# KiCad board PCB_Neopixel_rigid.kicad_pcb (continued)
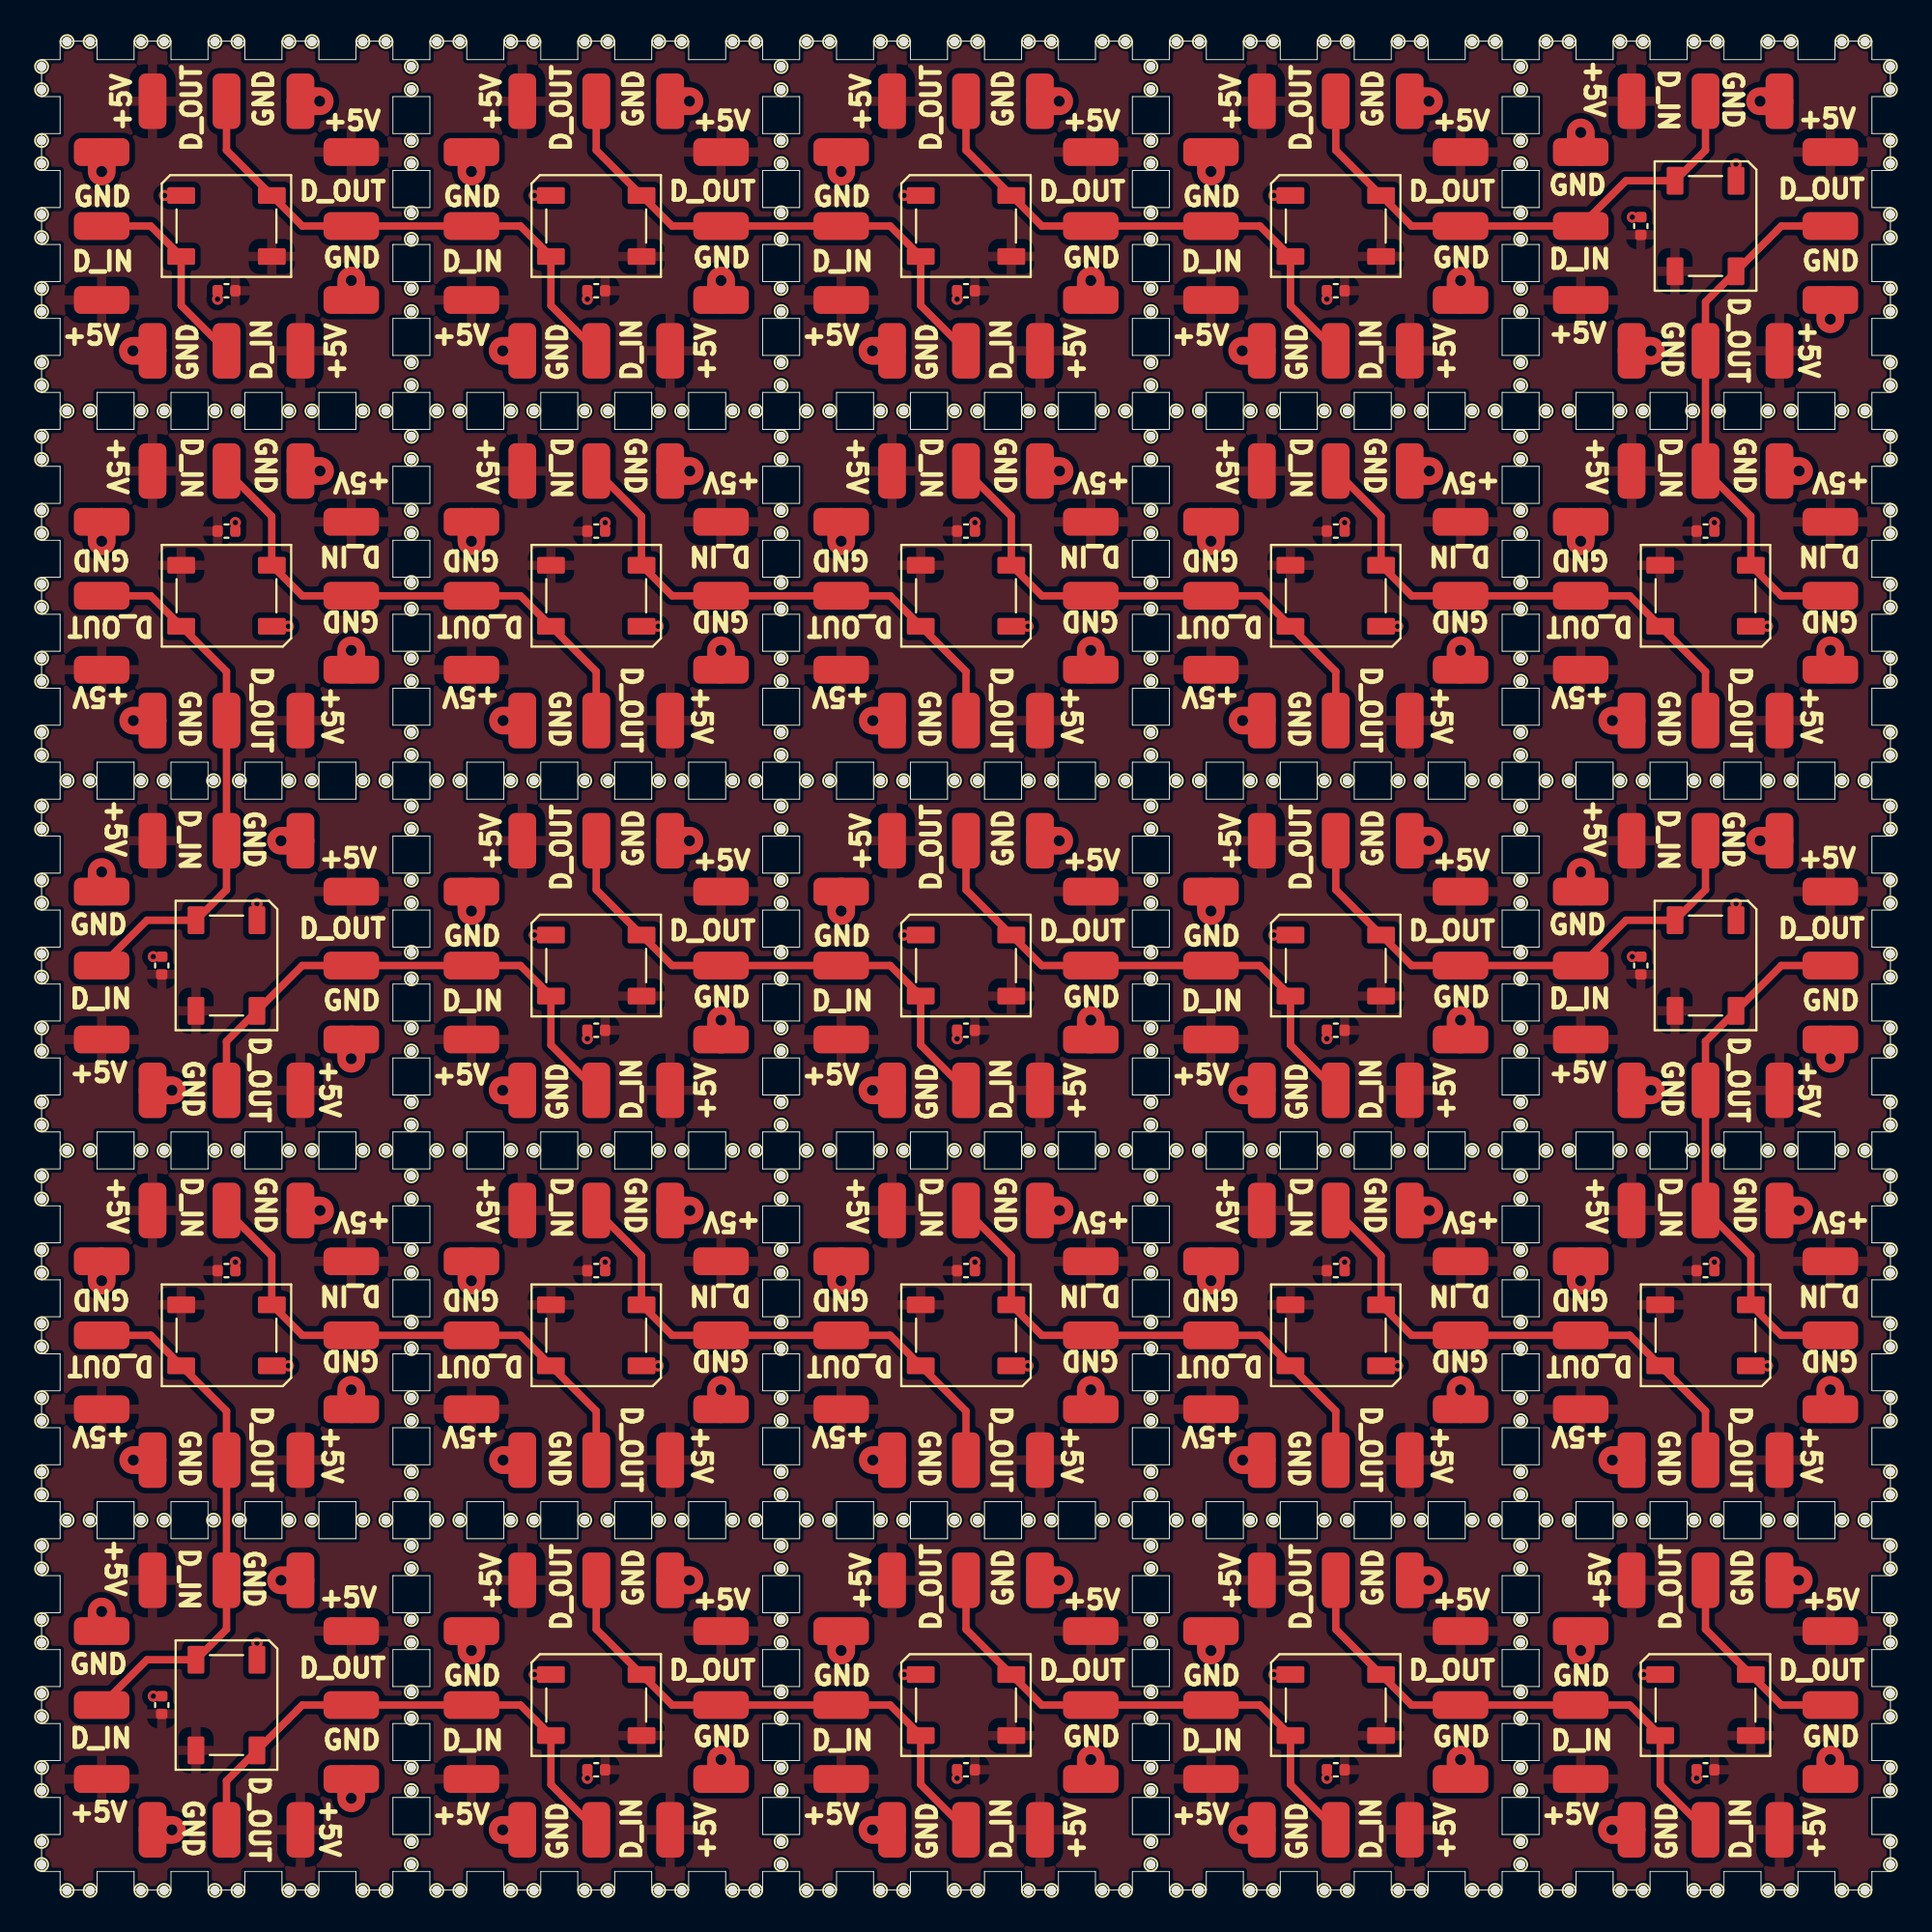
[diagram p0: board, top side]
## Placement (name value [footprint] x y rotation side) (continued)
J2003  Conn_01x01  [SolderWirePad_1x01_SMD_1.5x3mm]  26 36.75 0 top
J2004  Conn_01x01  [SolderWirePad_1x01_SMD_1.5x3mm]  34 36.75 180 top
J2005  Conn_01x01  [SolderWirePad_1x01_SMD_1.5x3mm]  23.25 26 270 top
J2006  Conn_01x01  [SolderWirePad_1x01_SMD_1.5x3mm]  23.25 34 270 top
J2007  Conn_01x01  [SolderWirePad_1x01_SMD_1.5x3mm]  34 23.25 180 top
J2008  Conn_01x01  [SolderWirePad_1x01_SMD_1.5x3mm]  26 23.25 180 top
J2009  Conn_01x01  [SolderWirePad_1x01_SMD_1.5x3mm]  30 36.75 180 top
J2010  Conn_01x01  [SolderWirePad_1x01_SMD_1.5x3mm]  36.75 30 270 top
J2011  Conn_01x01  [SolderWirePad_1x01_SMD_1.5x3mm]  23.25 30 270 top
J2012  Conn_01x01  [SolderWirePad_1x01_SMD_1.5x3mm]  30 23.25 180 top
J2101  Conn_01x01  [SolderWirePad_1x01_SMD_1.5x3mm]  16.75 34 270 top
J2102  Conn_01x01  [SolderWirePad_1x01_SMD_1.5x3mm]  16.75 26 270 top
J2103  Conn_01x01  [SolderWirePad_1x01_SMD_1.5x3mm]  6 36.75 0 top
J2104  Conn_01x01  [SolderWirePad_1x01_SMD_1.5x3mm]  14 36.75 180 top
J2105  Conn_01x01  [SolderWirePad_1x01_SMD_1.5x3mm]  3.25 26 270 top
J2106  Conn_01x01  [SolderWirePad_1x01_SMD_1.5x3mm]  3.25 34 270 top
J2107  Conn_01x01  [SolderWirePad_1x01_SMD_1.5x3mm]  14 23.25 180 top
J2108  Conn_01x01  [SolderWirePad_1x01_SMD_1.5x3mm]  6 23.25 180 top
J2109  Conn_01x01  [SolderWirePad_1x01_SMD_1.5x3mm]  10 36.75 180 top
J2110  Conn_01x01  [SolderWirePad_1x01_SMD_1.5x3mm]  16.75 30 270 top
J2111  Conn_01x01  [SolderWirePad_1x01_SMD_1.5x3mm]  3.25 30 270 top
J2112  Conn_01x01  [SolderWirePad_1x01_SMD_1.5x3mm]  10 23.25 180 top
J2201  Conn_01x01  [SolderWirePad_1x01_SMD_1.5x3mm]  6 16.75 0 top
J2202  Conn_01x01  [SolderWirePad_1x01_SMD_1.5x3mm]  14 16.75 0 top
J2203  Conn_01x01  [SolderWirePad_1x01_SMD_1.5x3mm]  3.25 6 90 top
J2204  Conn_01x01  [SolderWirePad_1x01_SMD_1.5x3mm]  3.25 14 270 top
J2205  Conn_01x01  [SolderWirePad_1x01_SMD_1.5x3mm]  14 3.25 0 top
J2206  Conn_01x01  [SolderWirePad_1x01_SMD_1.5x3mm]  6 3.25 0 top
J2207  Conn_01x01  [SolderWirePad_1x01_SMD_1.5x3mm]  16.75 14 270 top
J2208  Conn_01x01  [SolderWirePad_1x01_SMD_1.5x3mm]  16.75 6 270 top
J2209  Conn_01x01  [SolderWirePad_1x01_SMD_1.5x3mm]  3.25 10 270 top
J2210  Conn_01x01  [SolderWirePad_1x01_SMD_1.5x3mm]  10 16.75 0 top
J2211  Conn_01x01  [SolderWirePad_1x01_SMD_1.5x3mm]  10 3.25 0 top
J2212  Conn_01x01  [SolderWirePad_1x01_SMD_1.5x3mm]  16.75 10 270 top
J2301  Conn_01x01  [SolderWirePad_1x01_SMD_1.5x3mm]  23.25 6 90 top
J2302  Conn_01x01  [SolderWirePad_1x01_SMD_1.5x3mm]  23.25 14 90 top
J2303  Conn_01x01  [SolderWirePad_1x01_SMD_1.5x3mm]  34 3.25 180 top
J2304  Conn_01x01  [SolderWirePad_1x01_SMD_1.5x3mm]  26 3.25 0 top
J2305  Conn_01x01  [SolderWirePad_1x01_SMD_1.5x3mm]  36.75 14 90 top
J2306  Conn_01x01  [SolderWirePad_1x01_SMD_1.5x3mm]  36.75 6 90 top
J2307  Conn_01x01  [SolderWirePad_1x01_SMD_1.5x3mm]  26 16.75 0 top
J2308  Conn_01x01  [SolderWirePad_1x01_SMD_1.5x3mm]  34 16.75 0 top
J2309  Conn_01x01  [SolderWirePad_1x01_SMD_1.5x3mm]  30 3.25 0 top
J2310  Conn_01x01  [SolderWirePad_1x01_SMD_1.5x3mm]  23.25 10 90 top
J2311  Conn_01x01  [SolderWirePad_1x01_SMD_1.5x3mm]  36.75 10 90 top
J2312  Conn_01x01  [SolderWirePad_1x01_SMD_1.5x3mm]  30 16.75 0 top
J2401  Conn_01x01  [SolderWirePad_1x01_SMD_1.5x3mm]  43.25 6 90 top
J2402  Conn_01x01  [SolderWirePad_1x01_SMD_1.5x3mm]  43.25 14 90 top
J2403  Conn_01x01  [SolderWirePad_1x01_SMD_1.5x3mm]  54 3.25 180 top
J2404  Conn_01x01  [SolderWirePad_1x01_SMD_1.5x3mm]  46 3.25 0 top
J2405  Conn_01x01  [SolderWirePad_1x01_SMD_1.5x3mm]  56.75 14 90 top
J2406  Conn_01x01  [SolderWirePad_1x01_SMD_1.5x3mm]  56.75 6 90 top
J2407  Conn_01x01  [SolderWirePad_1x01_SMD_1.5x3mm]  46 16.75 0 top
J2408  Conn_01x01  [SolderWirePad_1x01_SMD_1.5x3mm]  54 16.75 0 top
J2409  Conn_01x01  [SolderWirePad_1x01_SMD_1.5x3mm]  50 3.25 0 top
J2410  Conn_01x01  [SolderWirePad_1x01_SMD_1.5x3mm]  43.25 10 90 top
J2411  Conn_01x01  [SolderWirePad_1x01_SMD_1.5x3mm]  56.75 10 90 top
J2412  Conn_01x01  [SolderWirePad_1x01_SMD_1.5x3mm]  50 16.75 0 top
J2501  Conn_01x01  [SolderWirePad_1x01_SMD_1.5x3mm]  63.25 6 90 top
J2502  Conn_01x01  [SolderWirePad_1x01_SMD_1.5x3mm]  63.25 14 90 top
J2503  Conn_01x01  [SolderWirePad_1x01_SMD_1.5x3mm]  74 3.25 180 top
J2504  Conn_01x01  [SolderWirePad_1x01_SMD_1.5x3mm]  66 3.25 0 top
J2505  Conn_01x01  [SolderWirePad_1x01_SMD_1.5x3mm]  76.75 14 90 top
J2506  Conn_01x01  [SolderWirePad_1x01_SMD_1.5x3mm]  76.75 6 90 top
J2507  Conn_01x01  [SolderWirePad_1x01_SMD_1.5x3mm]  66 16.75 0 top
J2508  Conn_01x01  [SolderWirePad_1x01_SMD_1.5x3mm]  74 16.75 0 top
J2509  Conn_01x01  [SolderWirePad_1x01_SMD_1.5x3mm]  70 3.25 0 top
J2510  Conn_01x01  [SolderWirePad_1x01_SMD_1.5x3mm]  63.25 10 90 top
J2511  Conn_01x01  [SolderWirePad_1x01_SMD_1.5x3mm]  76.75 10 90 top
J2512  Conn_01x01  [SolderWirePad_1x01_SMD_1.5x3mm]  70 16.75 0 top
J2601  Conn_01x01  [SolderWirePad_1x01_SMD_1.5x3mm]  83.25 6 90 top
J2602  Conn_01x01  [SolderWirePad_1x01_SMD_1.5x3mm]  83.25 14 90 top
J2603  Conn_01x01  [SolderWirePad_1x01_SMD_1.5x3mm]  94 3.25 180 top
J2604  Conn_01x01  [SolderWirePad_1x01_SMD_1.5x3mm]  86 3.25 0 top
J2605  Conn_01x01  [SolderWirePad_1x01_SMD_1.5x3mm]  96.75 14 90 top
J2606  Conn_01x01  [SolderWirePad_1x01_SMD_1.5x3mm]  96.75 6 90 top
J2607  Conn_01x01  [SolderWirePad_1x01_SMD_1.5x3mm]  86 16.75 0 top
J2608  Conn_01x01  [SolderWirePad_1x01_SMD_1.5x3mm]  94 16.75 0 top
J2609  Conn_01x01  [SolderWirePad_1x01_SMD_1.5x3mm]  90 3.25 0 top
J2610  Conn_01x01  [SolderWirePad_1x01_SMD_1.5x3mm]  83.25 10 90 top
J2611  Conn_01x01  [SolderWirePad_1x01_SMD_1.5x3mm]  96.75 10 90 top
J2612  Conn_01x01  [SolderWirePad_1x01_SMD_1.5x3mm]  90 16.75 0 top
REF**  -  [NPTH_0.5]  9.38 99.97 0 top
REF**1  -  [NPTH_0.5]  40 89.28 180 top
REF**2  -  [NPTH_0.5]  40 90.72 180 top
REF**3  -  [NPTH_0.5]  60 89.28 180 top
REF**4  -  [NPTH_0.5]  60 90.72 180 top
REF**5  -  [NPTH_0.5]  80 89.28 180 top
REF**6  -  [NPTH_0.5]  80 90.72 180 top
REF**9  -  [NPTH_0.5]  20 69.28 180 top
REF**10  -  [NPTH_0.5]  20 70.72 180 top
REF**11  -  [NPTH_0.5]  40 69.28 180 top
REF**12  -  [NPTH_0.5]  40 70.72 180 top
REF**13  -  [NPTH_0.5]  60 69.28 180 top
REF**14  -  [NPTH_0.5]  60 70.72 180 top
REF**15  -  [NPTH_0.5]  80 69.28 180 top
REF**16  -  [NPTH_0.5]  80 70.72 180 top
REF**19  -  [NPTH_0.5]  20 49.28 180 top
REF**20  -  [NPTH_0.5]  20 50.72 180 top
REF**21  -  [NPTH_0.5]  40 49.28 180 top
REF**22  -  [NPTH_0.5]  40 50.72 180 top
REF**23  -  [NPTH_0.5]  60 49.28 180 top
REF**24  -  [NPTH_0.5]  60 50.72 180 top
REF**25  -  [NPTH_0.5]  80 49.28 180 top
REF**26  -  [NPTH_0.5]  80 50.72 180 top
REF**29  -  [NPTH_0.5]  20 29.28 180 top
REF**30  -  [NPTH_0.5]  20 30.72 180 top
REF**31  -  [NPTH_0.5]  40 29.28 180 top
REF**32  -  [NPTH_0.5]  40 30.72 180 top
REF**33  -  [NPTH_0.5]  60 29.28 180 top
REF**34  -  [NPTH_0.5]  60 30.72 180 top
REF**35  -  [NPTH_0.5]  80 29.28 180 top
REF**36  -  [NPTH_0.5]  80 30.72 180 top
REF**39  -  [NPTH_0.5]  20 9.28 180 top
REF**40  -  [NPTH_0.5]  20 10.72 180 top
REF**41  -  [NPTH_0.5]  40 9.28 180 top
REF**42  -  [NPTH_0.5]  40 10.72 180 top
REF**43  -  [NPTH_0.5]  60 9.28 180 top
REF**44  -  [NPTH_0.5]  60 10.72 180 top
REF**45  -  [NPTH_0.5]  80 9.28 180 top
REF**46  -  [NPTH_0.5]  80 10.72 180 top
REF**#2  -  [NPTH_0.5]  40 62.62 90 top
REF**#3  -  [NPTH_0.5]  81.38 99.97 0 top
REF**#4  -  [NPTH_0.5]  100 77.37 90 top
REF**#5  -  [NPTH_0.5]  0 58.62 90 top
REF**#6  -  [NPTH_0.5]  80 74.62 90 top
REF**#7  -  [NPTH_0.5]  2.62 -0.03 0 top
REF**#8  -  [NPTH_0.5]  40 98.62 90 top
REF**#9  -  [NPTH_0.5]  14.62 -0.03 0 top
REF**#10  -  [NPTH_0.5]  60 85.37 90 top
REF**#11  -  [NPTH_0.5]  78.62 60 0 top
REF**#12  -  [NPTH_0.5]  0 50.62 90 top
REF**#13  -  [NPTH_0.5]  100 70.63 90 top
REF**#14  -  [NPTH_0.5]  57.38 20 0 top
REF**#15  -  [NPTH_0.5]  60 25.37 90 top
REF**#16  -  [NPTH_0.5]  20 58.62 90 top
REF**#17  -  [NPTH_0.5]  21.38 -0.03 0 top
REF**#18  -  [NPTH_0.5]  41.38 60 0 top
REF**#19  -  [NPTH_0.5]  22.62 20 0 top
REF**#20  -  [NPTH_0.5]  0 73.38 90 top
REF**#21  -  [NPTH_0.5]  93.38 40 0 top
REF**#22  -  [NPTH_0.5]  17.38 20 0 top
REF**#23  -  [NPTH_0.5]  60 46.62 90 top
REF**#24  -  [NPTH_0.5]  69.38 20 0 top
REF**#25  -  [NPTH_0.5]  80 85.37 90 top
REF**#26  -  [NPTH_0.5]  77.38 80 0 top
REF**#27  -  [NPTH_0.5]  86.62 60 0 top
REF**#28  -  [NPTH_0.5]  21.38 80 0 top
REF**#29  -  [NPTH_0.5]  60 6.62 90 top
REF**#30  -  [NPTH_0.5]  49.38 99.97 0 top
REF**#31  -  [NPTH_0.5]  17.38 40 0 top
REF**#32  -  [NPTH_0.5]  100 29.38 90 top
REF**#33  -  [NPTH_0.5]  66.62 60 0 top
REF**#34  -  [NPTH_0.5]  18.62 60 0 top
REF**#35  -  [NPTH_0.5]  80 22.62 90 top
REF**#36  -  [NPTH_0.5]  66.62 40 0 top
REF**#37  -  [NPTH_0.5]  60 86.62 90 top
REF**#38  -  [NPTH_0.5]  66.62 99.97 0 top
REF**#39  -  [NPTH_0.5]  9.3 60 0 top
REF**#40  -  [NPTH_0.5]  0 77.37 90 top
REF**#41  -  [NPTH_0.5]  80 2.62 90 top
REF**#42  -  [NPTH_0.5]  9.38 -0.03 0 top
REF**#43  -  [NPTH_0.5]  89.38 -0.03 0 top
REF**#44  -  [NPTH_0.5]  60 13.38 90 top
REF**#45  -  [NPTH_0.5]  100 22.62 90 top
REF**#46  -  [NPTH_0.5]  100 78.62 90 top
REF**#47  -  [NPTH_0.5]  70.62 40 0 top
REF**#48  -  [NPTH_0.5]  45.38 99.97 0 top
REF**#49  -  [NPTH_0.5]  58.62 99.97 0 top
REF**#50  -  [NPTH_0.5]  100 81.37 90 top
REF**#51  -  [NPTH_0.5]  100 26.62 90 top
REF**#52  -  [NPTH_0.5]  85.38 80 0 top
REF**#53  -  [NPTH_0.5]  60 21.38 90 top
REF**#54  -  [NPTH_0.5]  60 14.62 90 top
REF**#55  -  [NPTH_0.5]  100 58.62 90 top
REF**#56  -  [NPTH_0.5]  5.38 80 0 top
REF**#57  -  [NPTH_0.5]  45.38 60 0 top
REF**#58  -  [NPTH_0.5]  40 58.62 90 top
REF**#59  -  [NPTH_0.5]  42.62 60 0 top
REF**#60  -  [NPTH_0.5]  100 57.38 90 top
REF**#61  -  [NPTH_0.5]  62.62 99.97 0 top
REF**#62  -  [NPTH_0.5]  34.62 20 0 top
REF**#63  -  [NPTH_0.5]  26.62 80 0 top
REF**#64  -  [NPTH_0.5]  40 57.37 90 top
REF**#65  -  [NPTH_0.5]  0 94.62 90 top
REF**#66  -  [NPTH_0.5]  45.38 80 0 top
REF**#67  -  [NPTH_0.5]  1.38 40 0 top
REF**#68  -  [NPTH_0.5]  100 18.62 90 top
REF**#69  -  [NPTH_0.5]  20 77.37 90 top
REF**#70  -  [NPTH_0.5]  58.62 40 0 top
REF**#71  -  [NPTH_0.5]  100 69.38 90 top
REF**#72  -  [NPTH_0.5]  78.62 40 0 top
REF**#73  -  [NPTH_0.5]  0 81.37 90 top
REF**#74  -  [NPTH_0.5]  85.38 20 0 top
REF**#75  -  [NPTH_0.5]  60 78.62 90 top
REF**#76  -  [NPTH_0.5]  58.62 -0.03 0 top
REF**#77  -  [NPTH_0.5]  17.38 60 0 top
REF**#78  -  [NPTH_0.5]  20 42.62 90 top
REF**#79  -  [NPTH_0.5]  25.38 80 0 top
REF**#80  -  [NPTH_0.5]  42.62 40 0 top
REF**#81  -  [NPTH_0.5]  10.7 60 0 top
REF**#82  -  [NPTH_0.5]  20 41.38 90 top
REF**#83  -  [NPTH_0.5]  74.62 99.97 0 top
REF**#84  -  [NPTH_0.5]  80 86.62 90 top
REF**#85  -  [NPTH_0.5]  20 98.62 90 top
REF**#86  -  [NPTH_0.5]  100 97.38 90 top
REF**#87  -  [NPTH_0.5]  30.62 -0.03 0 top
REF**#88  -  [NPTH_0.5]  29.38 99.97 0 top
REF**#89  -  [NPTH_0.5]  90.7 40 0 top
REF**#90  -  [NPTH_0.5]  25.38 40 0 top
REF**#91  -  [NPTH_0.5]  80 6.62 90 top
REF**#92  -  [NPTH_0.5]  100 98.62 90 top
REF**#93  -  [NPTH_0.5]  98.62 60 0 top
REF**#94  -  [NPTH_0.5]  80 61.38 90 top
REF**#95  -  [NPTH_0.5]  100 61.38 90 top
REF**#96  -  [NPTH_0.5]  80 82.62 90 top
REF**#97  -  [NPTH_0.5]  80 42.62 90 top
REF**#98  -  [NPTH_0.5]  37.38 99.97 0 top
REF**#99  -  [NPTH_0.5]  40 25.37 90 top
REF**#100  -  [NPTH_0.5]  40 33.38 90 top
REF**#101  -  [NPTH_0.5]  100 10.62 90 top
REF**#102  -  [NPTH_0.5]  100 38.63 90 top
REF**#103  -  [NPTH_0.5]  40 22.62 90 top
REF**#104  -  [NPTH_0.5]  29.38 60 0 top
REF**#105  -  [NPTH_0.5]  20 74.62 90 top
REF**#106  -  [NPTH_0.5]  0 66.62 90 top
REF**#107  -  [NPTH_0.5]  22.62 60 0 top
REF**#108  -  [NPTH_0.5]  60 57.37 90 top
REF**#109  -  [NPTH_0.5]  60 38.62 90 top
REF**#110  -  [NPTH_0.5]  100 46.62 90 top
REF**#111  -  [NPTH_0.5]  80 73.38 90 top
REF**#112  -  [NPTH_0.5]  90.62 60 0 top
REF**#113  -  [NPTH_0.5]  60 81.38 90 top
REF**#114  -  [NPTH_0.5]  26.62 99.97 0 top
REF**#115  -  [NPTH_0.5]  60 42.62 90 top
REF**#116  -  [NPTH_0.5]  40 94.62 90 top
REF**#117  -  [NPTH_0.5]  100 33.38 90 top
REF**#118  -  [NPTH_0.5]  53.38 80 0 top
REF**#119  -  [NPTH_0.5]  33.38 20 0 top
REF**#120  -  [NPTH_0.5]  80 38.62 90 top
REF**#121  -  [NPTH_0.5]  69.38 -0.03 0 top
REF**#122  -  [NPTH_0.5]  34.62 -0.03 0 top
REF**#123  -  [NPTH_0.5]  65.38 20 0 top
REF**#124  -  [NPTH_0.5]  34.62 80 0 top
REF**#125  -  [NPTH_0.5]  80 77.37 90 top
REF**#126  -  [NPTH_0.5]  40 85.37 90 top
REF**#127  -  [NPTH_0.5]  22.62 40 0 top
REF**#128  -  [NPTH_0.5]  21.38 20 0 top
REF**#129  -  [NPTH_0.5]  100 30.62 90 top
REF**#130  -  [NPTH_0.5]  89.3 40 0 top
REF**#131  -  [NPTH_0.5]  100 49.37 90 top
REF**#132  -  [NPTH_0.5]  20 93.38 90 top
REF**#133  -  [NPTH_0.5]  20 65.37 90 top
REF**#134  -  [NPTH_0.5]  18.62 80 0 top
REF**#135  -  [NPTH_0.5]  97.38 99.97 0 top
REF**#136  -  [NPTH_0.5]  30.62 80 0 top
REF**#137  -  [NPTH_0.5]  14.62 80 0 top
REF**#138  -  [NPTH_0.5]  100 21.38 90 top
REF**#139  -  [NPTH_0.5]  70.62 80 0 top
REF**#140  -  [NPTH_0.5]  60 66.62 90 top
REF**#141  -  [NPTH_0.5]  40 21.38 90 top
REF**#142  -  [NPTH_0.5]  41.38 99.97 0 top
REF**#143  -  [NPTH_0.5]  37.38 80 0 top
REF**#144  -  [NPTH_0.5]  17.38 -0.03 0 top
REF**#145  -  [NPTH_0.5]  25.38 60 0 top
REF**#146  -  [NPTH_0.5]  46.62 60 0 top
REF**#147  -  [NPTH_0.5]  61.38 99.97 0 top
REF**#148  -  [NPTH_0.5]  81.38 -0.03 0 top
REF**#149  -  [NPTH_0.5]  60 82.62 90 top
REF**#150  -  [NPTH_0.5]  14.62 40 0 top
REF**#151  -  [NPTH_0.5]  0 65.38 90 top
REF**#152  -  [NPTH_0.5]  80 78.62 90 top
REF**#153  -  [NPTH_0.5]  50.62 20 0 top
REF**#154  -  [NPTH_0.5]  0 37.38 90 top
REF**#155  -  [NPTH_0.5]  29.38 -0.03 0 top
REF**#156  -  [NPTH_0.5]  100 6.63 90 top
REF**#157  -  [NPTH_0.5]  81.38 80 0 top
REF**#158  -  [NPTH_0.5]  77.38 40 0 top
REF**#159  -  [NPTH_0.5]  82.62 40 0 top
REF**#160  -  [NPTH_0.5]  82.62 99.97 0 top
REF**#161  -  [NPTH_0.5]  0 85.38 90 top
REF**#162  -  [NPTH_0.5]  18.62 -0.03 0 top
REF**#163  -  [NPTH_0.5]  50.62 -0.03 0 top
REF**#164  -  [NPTH_0.5]  41.38 40 0 top
REF**#165  -  [NPTH_0.5]  100 94.62 90 top
REF**#166  -  [NPTH_0.5]  100 89.38 90 top
REF**#167  -  [NPTH_0.5]  40 46.62 90 top
REF**#168  -  [NPTH_0.5]  34.62 40 0 top
REF**#169  -  [NPTH_0.5]  60 33.38 90 top
REF**#170  -  [NPTH_0.5]  20 82.62 90 top
REF**#171  -  [NPTH_0.5]  0 46.62 90 top
REF**#172  -  [NPTH_0.5]  40 66.62 90 top
REF**#173  -  [NPTH_0.5]  0 70.63 90 top
REF**#174  -  [NPTH_0.5]  22.62 80 0 top
REF**#175  -  [NPTH_0.5]  21.38 99.97 0 top
REF**#176  -  [NPTH_0.5]  13.38 20 0 top
REF**#177  -  [NPTH_0.5]  80 41.38 90 top
REF**#178  -  [NPTH_0.5]  80 25.37 90 top
REF**#179  -  [NPTH_0.5]  100 2.62 90 top
REF**#180  -  [NPTH_0.5]  97.38 40 0 top
REF**#181  -  [NPTH_0.5]  85.38 40 0 top
REF**#182  -  [NPTH_0.5]  70.62 -0.03 0 top
REF**#183  -  [NPTH_0.5]  5.38 20 0 top
REF**#184  -  [NPTH_0.5]  53.38 40 0 top
REF**#185  -  [NPTH_0.5]  100 85.38 90 top
REF**#186  -  [NPTH_0.5]  0 61.38 90 top
REF**#187  -  [NPTH_0.5]  60 94.62 90 top
REF**#188  -  [NPTH_0.5]  20 6.62 90 top
REF**#189  -  [NPTH_0.5]  0 1.38 90 top
REF**#190  -  [NPTH_0.5]  0 45.37 90 top
REF**#191  -  [NPTH_0.5]  100 66.62 90 top
REF**#192  -  [NPTH_0.5]  20 61.38 90 top
REF**#193  -  [NPTH_0.5]  46.62 40 0 top
REF**#194  -  [NPTH_0.5]  0 10.62 90 top
REF**#195  -  [NPTH_0.5]  80 98.62 90 top
REF**#196  -  [NPTH_0.5]  20 89.28 180 top
REF**#197  -  [NPTH_0.5]  66.62 80 0 top
REF**#198  -  [NPTH_0.5]  26.62 20 0 top
REF**#199  -  [NPTH_0.5]  0 82.62 90 top
REF**#200  -  [NPTH_0.5]  57.38 -0.03 0 top
REF**#201  -  [NPTH_0.5]  30.62 20 0 top
REF**#202  -  [NPTH_0.5]  49.38 -0.03 0 top
REF**#203  -  [NPTH_0.5]  14.62 60 0 top
REF**#204  -  [NPTH_0.5]  6.62 40 0 top
REF**#205  -  [NPTH_0.5]  98.62 20 0 top
REF**#206  -  [NPTH_0.5]  42.62 20 0 top
REF**#207  -  [NPTH_0.5]  0 54.62 90 top
REF**#208  -  [NPTH_0.5]  6.62 -0.03 0 top
REF**#209  -  [NPTH_0.5]  40 45.37 90 top
REF**#210  -  [NPTH_0.5]  9.3 20 0 top
REF**#211  -  [NPTH_0.5]  100 5.38 90 top
REF**#212  -  [NPTH_0.5]  100 45.37 90 top
REF**#213  -  [NPTH_0.5]  40 65.37 90 top
REF**#214  -  [NPTH_0.5]  40 41.38 90 top
REF**#215  -  [NPTH_0.5]  38.62 40 0 top
REF**#216  -  [NPTH_0.5]  0 57.38 90 top
REF**#217  -  [NPTH_0.5]  93.38 99.97 0 top
REF**#218  -  [NPTH_0.5]  80 21.38 90 top
REF**#219  -  [NPTH_0.5]  1.38 80 0 top
REF**#220  -  [NPTH_0.5]  97.38 -0.03 0 top
REF**#221  -  [NPTH_0.5]  33.38 60 0 top
REF**#222  -  [NPTH_0.5]  20 14.62 90 top
REF**#223  -  [NPTH_0.5]  69.38 99.97 0 top
REF**#224  -  [NPTH_0.5]  49.38 20 0 top
REF**#225  -  [NPTH_0.5]  34.62 99.97 0 top
REF**#226  -  [NPTH_0.5]  49.38 60 0 top
REF**#227  -  [NPTH_0.5]  80 17.37 90 top
REF**#228  -  [NPTH_0.5]  73.38 99.97 0 top
REF**#229  -  [NPTH_0.5]  82.62 60 0 top
REF**#230  -  [NPTH_0.5]  100 74.62 90 top
REF**#231  -  [NPTH_0.5]  20 73.38 90 top
REF**#232  -  [NPTH_0.5]  45.38 40 0 top
REF**#233  -  [NPTH_0.5]  80 57.37 90 top
REF**#234  -  [NPTH_0.5]  20 5.37 90 top
REF**#235  -  [NPTH_0.5]  40 82.62 90 top
REF**#236  -  [NPTH_0.5]  6.62 99.97 0 top
REF**#237  -  [NPTH_0.5]  10.7 20 0 top
REF**#238  -  [NPTH_0.5]  20 45.37 90 top
REF**#239  -  [NPTH_0.5]  13.38 40 0 top
REF**#240  -  [NPTH_0.5]  0 98.62 90 top
REF**#241  -  [NPTH_0.5]  20 34.62 90 top
REF**#242  -  [NPTH_0.5]  80 97.37 90 top
REF**#243  -  [NPTH_0.5]  60 65.37 90 top
REF**#244  -  [NPTH_0.5]  2.62 80 0 top
REF**#245  -  [NPTH_0.5]  13.38 80 0 top
REF**#246  -  [NPTH_0.5]  41.38 20 0 top
REF**#247  -  [NPTH_0.5]  22.62 99.97 0 top
REF**#248  -  [NPTH_0.5]  0 5.38 90 top
REF**#249  -  [NPTH_0.5]  54.62 99.97 0 top
REF**#250  -  [NPTH_0.5]  98.62 -0.03 0 top
REF**#251  -  [NPTH_0.5]  20 17.37 90 top
REF**#252  -  [NPTH_0.5]  58.62 80 0 top
REF**#253  -  [NPTH_0.5]  30.62 40 0 top
REF**#254  -  [NPTH_0.5]  78.62 99.97 0 top
REF**#255  -  [NPTH_0.5]  0 22.62 90 top
REF**#256  -  [NPTH_0.5]  100 42.62 90 top
REF**#257  -  [NPTH_0.5]  20 13.38 90 top
REF**#258  -  [NPTH_0.5]  29.38 20 0 top
REF**#259  -  [NPTH_0.5]  60 18.62 90 top
REF**#260  -  [NPTH_0.5]  93.38 80 0 top
REF**#261  -  [NPTH_0.5]  80 54.62 90 top
REF**#262  -  [NPTH_0.5]  60 41.38 90 top
REF**#263  -  [NPTH_0.5]  40 5.37 90 top
REF**#264  -  [NPTH_0.5]  0 69.38 90 top
REF**#265  -  [NPTH_0.5]  89.38 60 0 top
REF**#266  -  [NPTH_0.5]  62.62 40 0 top
REF**#267  -  [NPTH_0.5]  69.38 60 0 top
REF**#268  -  [NPTH_0.5]  80 13.38 90 top
REF**#269  -  [NPTH_0.5]  20 1.38 90 top
REF**#270  -  [NPTH_0.5]  80 33.38 90 top
REF**#271  -  [NPTH_0.5]  100 14.62 90 top
REF**#272  -  [NPTH_0.5]  61.38 20 0 top
REF**#273  -  [NPTH_0.5]  90.62 99.97 0 top
REF**#274  -  [NPTH_0.5]  14.62 20 0 top
REF**#275  -  [NPTH_0.5]  61.38 60 0 top
REF**#276  -  [NPTH_0.5]  42.62 -0.03 0 top
REF**#277  -  [NPTH_0.5]  98.62 99.97 0 top
REF**#278  -  [NPTH_0.5]  2.62 40 0 top
REF**#279  -  [NPTH_0.5]  37.38 40 0 top
REF**#280  -  [NPTH_0.5]  73.38 20 0 top
REF**#281  -  [NPTH_0.5]  94.62 99.97 0 top
REF**#282  -  [NPTH_0.5]  5.38 60 0 top
REF**#283  -  [NPTH_0.5]  20 37.37 90 top
REF**#284  -  [NPTH_0.5]  20 2.62 90 top
REF**#285  -  [NPTH_0.5]  0 62.62 90 top
REF**#286  -  [NPTH_0.5]  100 9.38 90 top
REF**#287  -  [NPTH_0.5]  80 14.62 90 top
REF**#288  -  [NPTH_0.5]  74.62 20 0 top
REF**#289  -  [NPTH_0.5]  0 18.62 90 top
REF**#290  -  [NPTH_0.5]  33.38 -0.03 0 top
REF**#291  -  [NPTH_0.5]  94.62 40 0 top
REF**#292  -  [NPTH_0.5]  20 33.38 90 top
REF**#293  -  [NPTH_0.5]  5.38 40 0 top
REF**#294  -  [NPTH_0.5]  0 17.37 90 top
REF**#295  -  [NPTH_0.5]  40 34.62 90 top
REF**#296  -  [NPTH_0.5]  26.62 40 0 top
REF**#297  -  [NPTH_0.5]  94.62 60 0 top
REF**#298  -  [NPTH_0.5]  65.38 99.97 0 top
REF**#299  -  [NPTH_0.5]  82.62 20 0 top
REF**#300  -  [NPTH_0.5]  0 30.62 90 top
REF**#301  -  [NPTH_0.5]  90.62 -0.03 0 top
REF**#302  -  [NPTH_0.5]  60 5.37 90 top
REF**#303  -  [NPTH_0.5]  60 22.62 90 top
REF**#304  -  [NPTH_0.5]  38.62 99.97 0 top
REF**#305  -  [NPTH_0.5]  60 54.62 90 top
REF**#306  -  [NPTH_0.5]  29.38 40 0 top
REF**#307  -  [NPTH_0.5]  70.62 99.97 0 top
REF**#308  -  [NPTH_0.5]  100 25.38 90 top
REF**#309  -  [NPTH_0.5]  80 1.38 90 top
REF**#310  -  [NPTH_0.5]  20 97.37 90 top
REF**#311  -  [NPTH_0.5]  80 58.62 90 top
REF**#312  -  [NPTH_0.5]  100 37.38 90 top
REF**#313  -  [NPTH_0.5]  40 1.38 90 top
REF**#314  -  [NPTH_0.5]  54.62 -0.03 0 top
REF**#315  -  [NPTH_0.5]  29.38 80 0 top
REF**#316  -  [NPTH_0.5]  20 21.38 90 top
REF**#317  -  [NPTH_0.5]  40 18.62 90 top
REF**#318  -  [NPTH_0.5]  70.62 60 0 top
REF**#319  -  [NPTH_0.5]  89.3 80 0 top
REF**#320  -  [NPTH_0.5]  80 5.37 90 top
REF**#321  -  [NPTH_0.5]  74.62 40 0 top
REF**#322  -  [NPTH_0.5]  20 81.38 90 top
REF**#323  -  [NPTH_0.5]  53.38 60 0 top
REF**#324  -  [NPTH_0.5]  17.38 99.97 0 top
REF**#325  -  [NPTH_0.5]  42.62 80 0 top
REF**#326  -  [NPTH_0.5]  53.38 99.97 0 top
REF**#327  -  [NPTH_0.5]  33.38 99.97 0 top
REF**#328  -  [NPTH_0.5]  0 74.62 90 top
REF**#329  -  [NPTH_0.5]  86.62 40 0 top
REF**#330  -  [NPTH_0.5]  98.62 80 0 top
REF**#331  -  [NPTH_0.5]  100 62.62 90 top
REF**#332  -  [NPTH_0.5]  77.38 20 0 top
REF**#333  -  [NPTH_0.5]  18.62 99.97 0 top
REF**#334  -  [NPTH_0.5]  18.62 40 0 top
REF**#335  -  [NPTH_0.5]  66.62 20 0 top
REF**#336  -  [NPTH_0.5]  62.62 -0.03 0 top
REF**#337  -  [NPTH_0.5]  40 13.38 90 top
REF**#338  -  [NPTH_0.5]  80 66.62 90 top
REF**#339  -  [NPTH_0.5]  60 34.62 90 top
REF**#340  -  [NPTH_0.5]  37.38 20 0 top
REF**#341  -  [NPTH_0.5]  40 97.37 90 top
REF**#342  -  [NPTH_0.5]  20 18.62 90 top
REF**#343  -  [NPTH_0.5]  65.38 60 0 top
REF**#344  -  [NPTH_0.5]  46.62 99.97 0 top
REF**#345  -  [NPTH_0.5]  57.38 80 0 top
REF**#346  -  [NPTH_0.5]  80 65.37 90 top
REF**#347  -  [NPTH_0.5]  93.38 -0.03 0 top
REF**#348  -  [NPTH_0.5]  57.38 99.97 0 top
REF**#349  -  [NPTH_0.5]  40 2.62 90 top
REF**#350  -  [NPTH_0.5]  69.38 80 0 top
REF**#351  -  [NPTH_0.5]  81.38 20 0 top
REF**#352  -  [NPTH_0.5]  33.38 40 0 top
REF**#353  -  [NPTH_0.5]  60 97.37 90 top
REF**#354  -  [NPTH_0.5]  80 18.62 90 top
REF**#355  -  [NPTH_0.5]  30.62 99.97 0 top
REF**#356  -  [NPTH_0.5]  46.62 -0.03 0 top
REF**#357  -  [NPTH_0.5]  6.62 20 0 top
REF**#358  -  [NPTH_0.5]  40 78.62 90 top
REF**#359  -  [NPTH_0.5]  77.38 60 0 top
REF**#360  -  [NPTH_0.5]  77.38 -0.03 0 top
REF**#361  -  [NPTH_0.5]  42.62 99.97 0 top
REF**#362  -  [NPTH_0.5]  49.38 40 0 top
REF**#363  -  [NPTH_0.5]  81.38 60 0 top
REF**#364  -  [NPTH_0.5]  20 53.38 90 top
REF**#365  -  [NPTH_0.5]  62.62 60 0 top
REF**#366  -  [NPTH_0.5]  38.62 60 0 top
REF**#367  -  [NPTH_0.5]  53.38 -0.03 0 top
REF**#368  -  [NPTH_0.5]  2.62 60 0 top
REF**#369  -  [NPTH_0.5]  5.38 99.97 0 top
REF**#370  -  [NPTH_0.5]  80 45.37 90 top
REF**#371  -  [NPTH_0.5]  10.62 40 0 top
REF**#372  -  [NPTH_0.5]  0 29.38 90 top
REF**#373  -  [NPTH_0.5]  80 26.62 90 top
REF**#374  -  [NPTH_0.5]  25.38 20 0 top
REF**#375  -  [NPTH_0.5]  20 38.62 90 top
REF**#376  -  [NPTH_0.5]  82.62 80 0 top
REF**#377  -  [NPTH_0.5]  0 2.62 90 top
REF**#378  -  [NPTH_0.5]  94.62 80 0 top
REF**#379  -  [NPTH_0.5]  100 86.62 90 top
REF**#380  -  [NPTH_0.5]  10.62 80 0 top
REF**#381  -  [NPTH_0.5]  14.62 99.97 0 top
REF**#382  -  [NPTH_0.5]  57.38 40 0 top
REF**#383  -  [NPTH_0.5]  69.38 40 0 top
REF**#384  -  [NPTH_0.5]  22.62 -0.03 0 top
REF**#385  -  [NPTH_0.5]  86.62 -0.03 0 top
REF**#386  -  [NPTH_0.5]  45.38 -0.03 0 top
REF**#387  -  [NPTH_0.5]  20 26.62 90 top
REF**#388  -  [NPTH_0.5]  0 86.62 90 top
REF**#389  -  [NPTH_0.5]  80 94.62 90 top
REF**#390  -  [NPTH_0.5]  5.38 -0.03 0 top
REF**#391  -  [NPTH_0.5]  25.38 99.97 0 top
REF**#392  -  [NPTH_0.5]  85.38 -0.03 0 top
REF**#393  -  [NPTH_0.5]  17.38 80 0 top
REF**#394  -  [NPTH_0.5]  0 26.62 90 top
REF**#395  -  [NPTH_0.5]  40 81.38 90 top
REF**#396  -  [NPTH_0.5]  13.38 -0.03 0 top
REF**#397  -  [NPTH_0.5]  0 42.62 90 top
REF**#398  -  [NPTH_0.5]  1.38 99.97 0 top
REF**#399  -  [NPTH_0.5]  77.38 99.97 0 top
REF**#400  -  [NPTH_0.5]  50.62 99.97 0 top
REF**#401  -  [NPTH_0.5]  61.38 -0.03 0 top
REF**#402  -  [NPTH_0.5]  37.38 60 0 top
REF**#403  -  [NPTH_0.5]  89.38 20 0 top
REF**#404  -  [NPTH_0.5]  0 6.63 90 top
REF**#405  -  [NPTH_0.5]  54.62 40 0 top
REF**#406  -  [NPTH_0.5]  54.62 80 0 top
REF**#407  -  [NPTH_0.5]  60 93.38 90 top
REF**#408  -  [NPTH_0.5]  80 34.62 90 top
REF**#409  -  [NPTH_0.5]  18.62 20 0 top
REF**#410  -  [NPTH_0.5]  86.62 20 0 top
REF**#411  -  [NPTH_0.5]  0 34.62 90 top
REF**#412  -  [NPTH_0.5]  81.38 40 0 top
REF**#413  -  [NPTH_0.5]  38.62 20 0 top
REF**#414  -  [NPTH_0.5]  100 41.38 90 top
REF**#415  -  [NPTH_0.5]  60 2.62 90 top
REF**#416  -  [NPTH_0.5]  1.38 20 0 top
REF**#417  -  [NPTH_0.5]  98.62 40 0 top
REF**#418  -  [NPTH_0.5]  25.38 -0.03 0 top
REF**#419  -  [NPTH_0.5]  73.38 80 0 top
REF**#420  -  [NPTH_0.5]  100 54.62 90 top
REF**#421  -  [NPTH_0.5]  0 49.37 90 top
REF**#422  -  [NPTH_0.5]  100 13.37 90 top
REF**#423  -  [NPTH_0.5]  65.38 -0.03 0 top
REF**#424  -  [NPTH_0.5]  9.38 40 0 top
REF**#425  -  [NPTH_0.5]  97.38 20 0 top
REF**#426  -  [NPTH_0.5]  10.62 -0.03 0 top
REF**#427  -  [NPTH_0.5]  40 26.62 90 top
REF**#428  -  [NPTH_0.5]  26.62 -0.03 0 top
REF**#429  -  [NPTH_0.5]  50.62 80 0 top
REF**#430  -  [NPTH_0.5]  20 54.62 90 top
REF**#431  -  [NPTH_0.5]  40 73.38 90 top
REF**#432  -  [NPTH_0.5]  60 98.62 90 top
REF**#433  -  [NPTH_0.5]  0 25.38 90 top
REF**#434  -  [NPTH_0.5]  60 58.62 90 top
REF**#435  -  [NPTH_0.5]  0 93.38 90 top
REF**#436  -  [NPTH_0.5]  40 37.37 90 top
REF**#437  -  [NPTH_0.5]  0 53.38 90 top
REF**#438  -  [NPTH_0.5]  62.62 20 0 top
REF**#439  -  [NPTH_0.5]  100 1.38 90 top
REF**#440  -  [NPTH_0.5]  86.62 99.97 0 top
REF**#441  -  [NPTH_0.5]  62.62 80 0 top
REF**#442  -  [NPTH_0.5]  60 62.62 90 top
REF**#443  -  [NPTH_0.5]  54.62 60 0 top
REF**#444  -  [NPTH_0.5]  73.38 -0.03 0 top
REF**#445  -  [NPTH_0.5]  60 77.37 90 top
REF**#446  -  [NPTH_0.5]  97.38 80 0 top
REF**#447  -  [NPTH_0.5]  100 50.62 90 top
REF**#448  -  [NPTH_0.5]  74.62 80 0 top
REF**#449  -  [NPTH_0.5]  0 33.38 90 top
REF**#450  -  [NPTH_0.5]  80 81.38 90 top
REF**#451  -  [NPTH_0.5]  0 13.37 90 top
REF**#452  -  [NPTH_0.5]  41.38 80 0 top
REF**#453  -  [NPTH_0.5]  60 26.62 90 top
REF**#454  -  [NPTH_0.5]  93.38 60 0 top
REF**#455  -  [NPTH_0.5]  80 46.62 90 top
REF**#456  -  [NPTH_0.5]  40 14.62 90 top
REF**#457  -  [NPTH_0.5]  0 14.62 90 top
REF**#458  -  [NPTH_0.5]  0 89.38 90 top
REF**#459  -  [NPTH_0.5]  40 93.38 90 top
REF**#460  -  [NPTH_0.5]  54.62 20 0 top
REF**#461  -  [NPTH_0.5]  57.38 60 0 top
REF**#462  -  [NPTH_0.5]  73.38 60 0 top
REF**#463  -  [NPTH_0.5]  38.62 -0.03 0 top
REF**#464  -  [NPTH_0.5]  60 1.38 90 top
REF**#465  -  [NPTH_0.5]  80 62.62 90 top
REF**#466  -  [NPTH_0.5]  0 97.38 90 top
REF**#467  -  [NPTH_0.5]  85.38 99.97 0 top
REF**#468  -  [NPTH_0.5]  20 66.62 90 top
REF**#469  -  [NPTH_0.5]  40 6.62 90 top
REF**#470  -  [NPTH_0.5]  10.62 99.97 0 top
REF**#471  -  [NPTH_0.5]  78.62 20 0 top
REF**#472  -  [NPTH_0.5]  82.62 -0.03 0 top
REF**#473  -  [NPTH_0.5]  78.62 -0.03 0 top
REF**#474  -  [NPTH_0.5]  65.38 40 0 top
REF**#475  -  [NPTH_0.5]  80 37.37 90 top
REF**#476  -  [NPTH_0.5]  61.38 80 0 top
REF**#477  -  [NPTH_0.5]  13.38 60 0 top
REF**#478  -  [NPTH_0.5]  74.62 -0.03 0 top
REF**#479  -  [NPTH_0.5]  2.62 20 0 top
REF**#480  -  [NPTH_0.5]  61.38 40 0 top
REF**#481  -  [NPTH_0.5]  40 42.62 90 top
REF**#482  -  [NPTH_0.5]  37.38 -0.03 0 top
REF**#483  -  [NPTH_0.5]  0 41.38 90 top
REF**#484  -  [NPTH_0.5]  38.62 80 0 top
REF**#485  -  [NPTH_0.5]  97.38 60 0 top
REF**#486  -  [NPTH_0.5]  20 85.37 90 top
REF**#487  -  [NPTH_0.5]  20 46.62 90 top
REF**#488  -  [NPTH_0.5]  40 53.38 90 top
REF**#489  -  [NPTH_0.5]  100 90.62 90 top
REF**#490  -  [NPTH_0.5]  100 82.62 90 top
REF**#491  -  [NPTH_0.5]  0 90.62 90 top
REF**#492  -  [NPTH_0.5]  20 86.62 90 top
REF**#493  -  [NPTH_0.5]  60 53.38 90 top
REF**#494  -  [NPTH_0.5]  1.38 -0.03 0 top
REF**#495  -  [NPTH_0.5]  20 62.62 90 top
REF**#496  -  [NPTH_0.5]  65.38 80 0 top
REF**#497  -  [NPTH_0.5]  49.38 80 0 top
REF**#498  -  [NPTH_0.5]  0 21.38 90 top
REF**#499  -  [NPTH_0.5]  13.38 99.97 0 top
REF**#500  -  [NPTH_0.5]  30.62 60 0 top
REF**#501  -  [NPTH_0.5]  80 93.38 90 top
REF**#502  -  [NPTH_0.5]  80 53.38 90 top
REF**#503  -  [NPTH_0.5]  100 34.62 90 top
REF**#504  -  [NPTH_0.5]  20 57.37 90 top
REF**#505  -  [NPTH_0.5]  40 17.37 90 top
REF**#506  -  [NPTH_0.5]  1.38 60 0 top
REF**#507  -  [NPTH_0.5]  34.62 60 0 top
REF**#508  -  [NPTH_0.5]  20 25.37 90 top
REF**#509  -  [NPTH_0.5]  21.38 60 0 top
REF**#510  -  [NPTH_0.5]  45.38 20 0 top
REF**#511  -  [NPTH_0.5]  85.38 60 0 top
REF**#512  -  [NPTH_0.5]  60 74.62 90 top
REF**#513  -  [NPTH_0.5]  58.62 20 0 top
REF**#514  -  [NPTH_0.5]  60 61.38 90 top
REF**#515  -  [NPTH_0.5]  33.38 80 0 top
REF**#516  -  [NPTH_0.5]  94.62 20 0 top
REF**#517  -  [NPTH_0.5]  20 90.72 180 top
REF**#518  -  [NPTH_0.5]  58.62 60 0 top
REF**#519  -  [NPTH_0.5]  40 86.62 90 top
REF**#520  -  [NPTH_0.5]  6.62 60 0 top
REF**#521  -  [NPTH_0.5]  20 94.62 90 top
REF**#522  -  [NPTH_0.5]  60 17.37 90 top
REF**#523  -  [NPTH_0.5]  41.38 -0.03 0 top
REF**#524  -  [NPTH_0.5]  0 38.63 90 top
REF**#525  -  [NPTH_0.5]  60 37.37 90 top
REF**#526  -  [NPTH_0.5]  40 74.62 90 top
REF**#527  -  [NPTH_0.5]  40 38.62 90 top
REF**#528  -  [NPTH_0.5]  6.62 80 0 top
REF**#529  -  [NPTH_0.5]  2.62 99.97 0 top
REF**#530  -  [NPTH_0.5]  100 93.38 90 top
REF**#531  -  [NPTH_0.5]  21.38 40 0 top
REF**#532  -  [NPTH_0.5]  100 73.38 90 top
REF**#533  -  [NPTH_0.5]  100 53.38 90 top
REF**#534  -  [NPTH_0.5]  26.62 60 0 top
REF**#535  -  [NPTH_0.5]  90.7 80 0 top
REF**#536  -  [NPTH_0.5]  40 77.37 90 top
REF**#537  -  [NPTH_0.5]  70.62 20 0 top
REF**#538  -  [NPTH_0.5]  60 45.37 90 top
REF**#539  -  [NPTH_0.5]  9.38 80 0 top
REF**#540  -  [NPTH_0.5]  20 22.62 90 top
REF**#541  -  [NPTH_0.5]  73.38 40 0 top
REF**#542  -  [NPTH_0.5]  93.38 20 0 top
REF**#543  -  [NPTH_0.5]  66.62 -0.03 0 top
REF**#544  -  [NPTH_0.5]  74.62 60 0 top
REF**#545  -  [NPTH_0.5]  46.62 80 0 top
REF**#546  -  [NPTH_0.5]  0 9.38 90 top
REF**#547  -  [NPTH_0.5]  78.62 80 0 top
REF**#548  -  [NPTH_0.5]  89.38 99.97 0 top
REF**#549  -  [NPTH_0.5]  46.62 20 0 top
REF**#550  -  [NPTH_0.5]  94.62 -0.03 0 top
REF**#551  -  [NPTH_0.5]  0 78.62 90 top
REF**#552  -  [NPTH_0.5]  50.62 40 0 top
REF**#553  -  [NPTH_0.5]  100 17.37 90 top
REF**#554  -  [NPTH_0.5]  86.62 80 0 top
REF**#555  -  [NPTH_0.5]  90.62 20 0 top
REF**#556  -  [NPTH_0.5]  20 78.62 90 top
REF**#557  -  [NPTH_0.5]  60 73.38 90 top
REF**#558  -  [NPTH_0.5]  40 61.38 90 top
REF**#559  -  [NPTH_0.5]  100 65.38 90 top
REF**#560  -  [NPTH_0.5]  40 54.62 90 top
REF**#561  -  [NPTH_0.5]  50.62 60 0 top
REF**#562  -  [NPTH_0.5]  53.38 20 0 top

## Library data of the parts
C201 C301 C401 C501 C601 C701 C801 C901 C1001 C1101 C1201 C1301 C1401 C1501 C1601 C1701 C1801 C1901 C2001 C2101 C2201 C2301 C2401 C2501 C2601 = -: Description: Unpolarized capacitor, small symbol; ki_fp_filters: C_*
D201 D301 D401 D501 D601 D701 D801 D901 D1001 D1101 D1201 D1301 D1401 D1501 D1601 D1701 D1801 D1901 D2001 D2101 D2201 D2301 D2401 D2501 D2601 = -: Datasheet: https://cdn-shop.adafruit.com/datasheets/WS2812B.pdf; Description: RGB LED with integrated controller; ki_fp_filters: LED*WS2812*PLCC*5.0x5.0mm*P3.2mm*
J201-J212 J301-J312 J401-J412 J501-J512 J601-J612 J701-J712 J801-J812 J901-J912 J1001-J1012 J1101-J1112 J1201-J1212 J1301-J1312 J1401-J1412 J1501-J1512 J1601-J1612 J1701-J1712 J1801-J1812 J1901-J1912 J2001-J2012 J2101-J2112 J2201-J2212 J2301-J2312 J2401-J2412 J2501-J2512 J2601-J2612 = -: Description: Generic connector, single row, 01x01, script generated (kicad-library-utils/schlib/autogen/connector/); ki_fp_filters: Connector*:*_1x??_*

## Footprints (pads in the part's own frame, mm; a bottom-side part is the same pattern mirrored in y, then rotated)
C_0402_1005Metric
  rrect 0.56x0.62 smd: 1(-0.48,0) 2(0.48,0)
